# Altium PCB TEBF0808ASCII.PcbDoc (part 2 of 10) (continued)
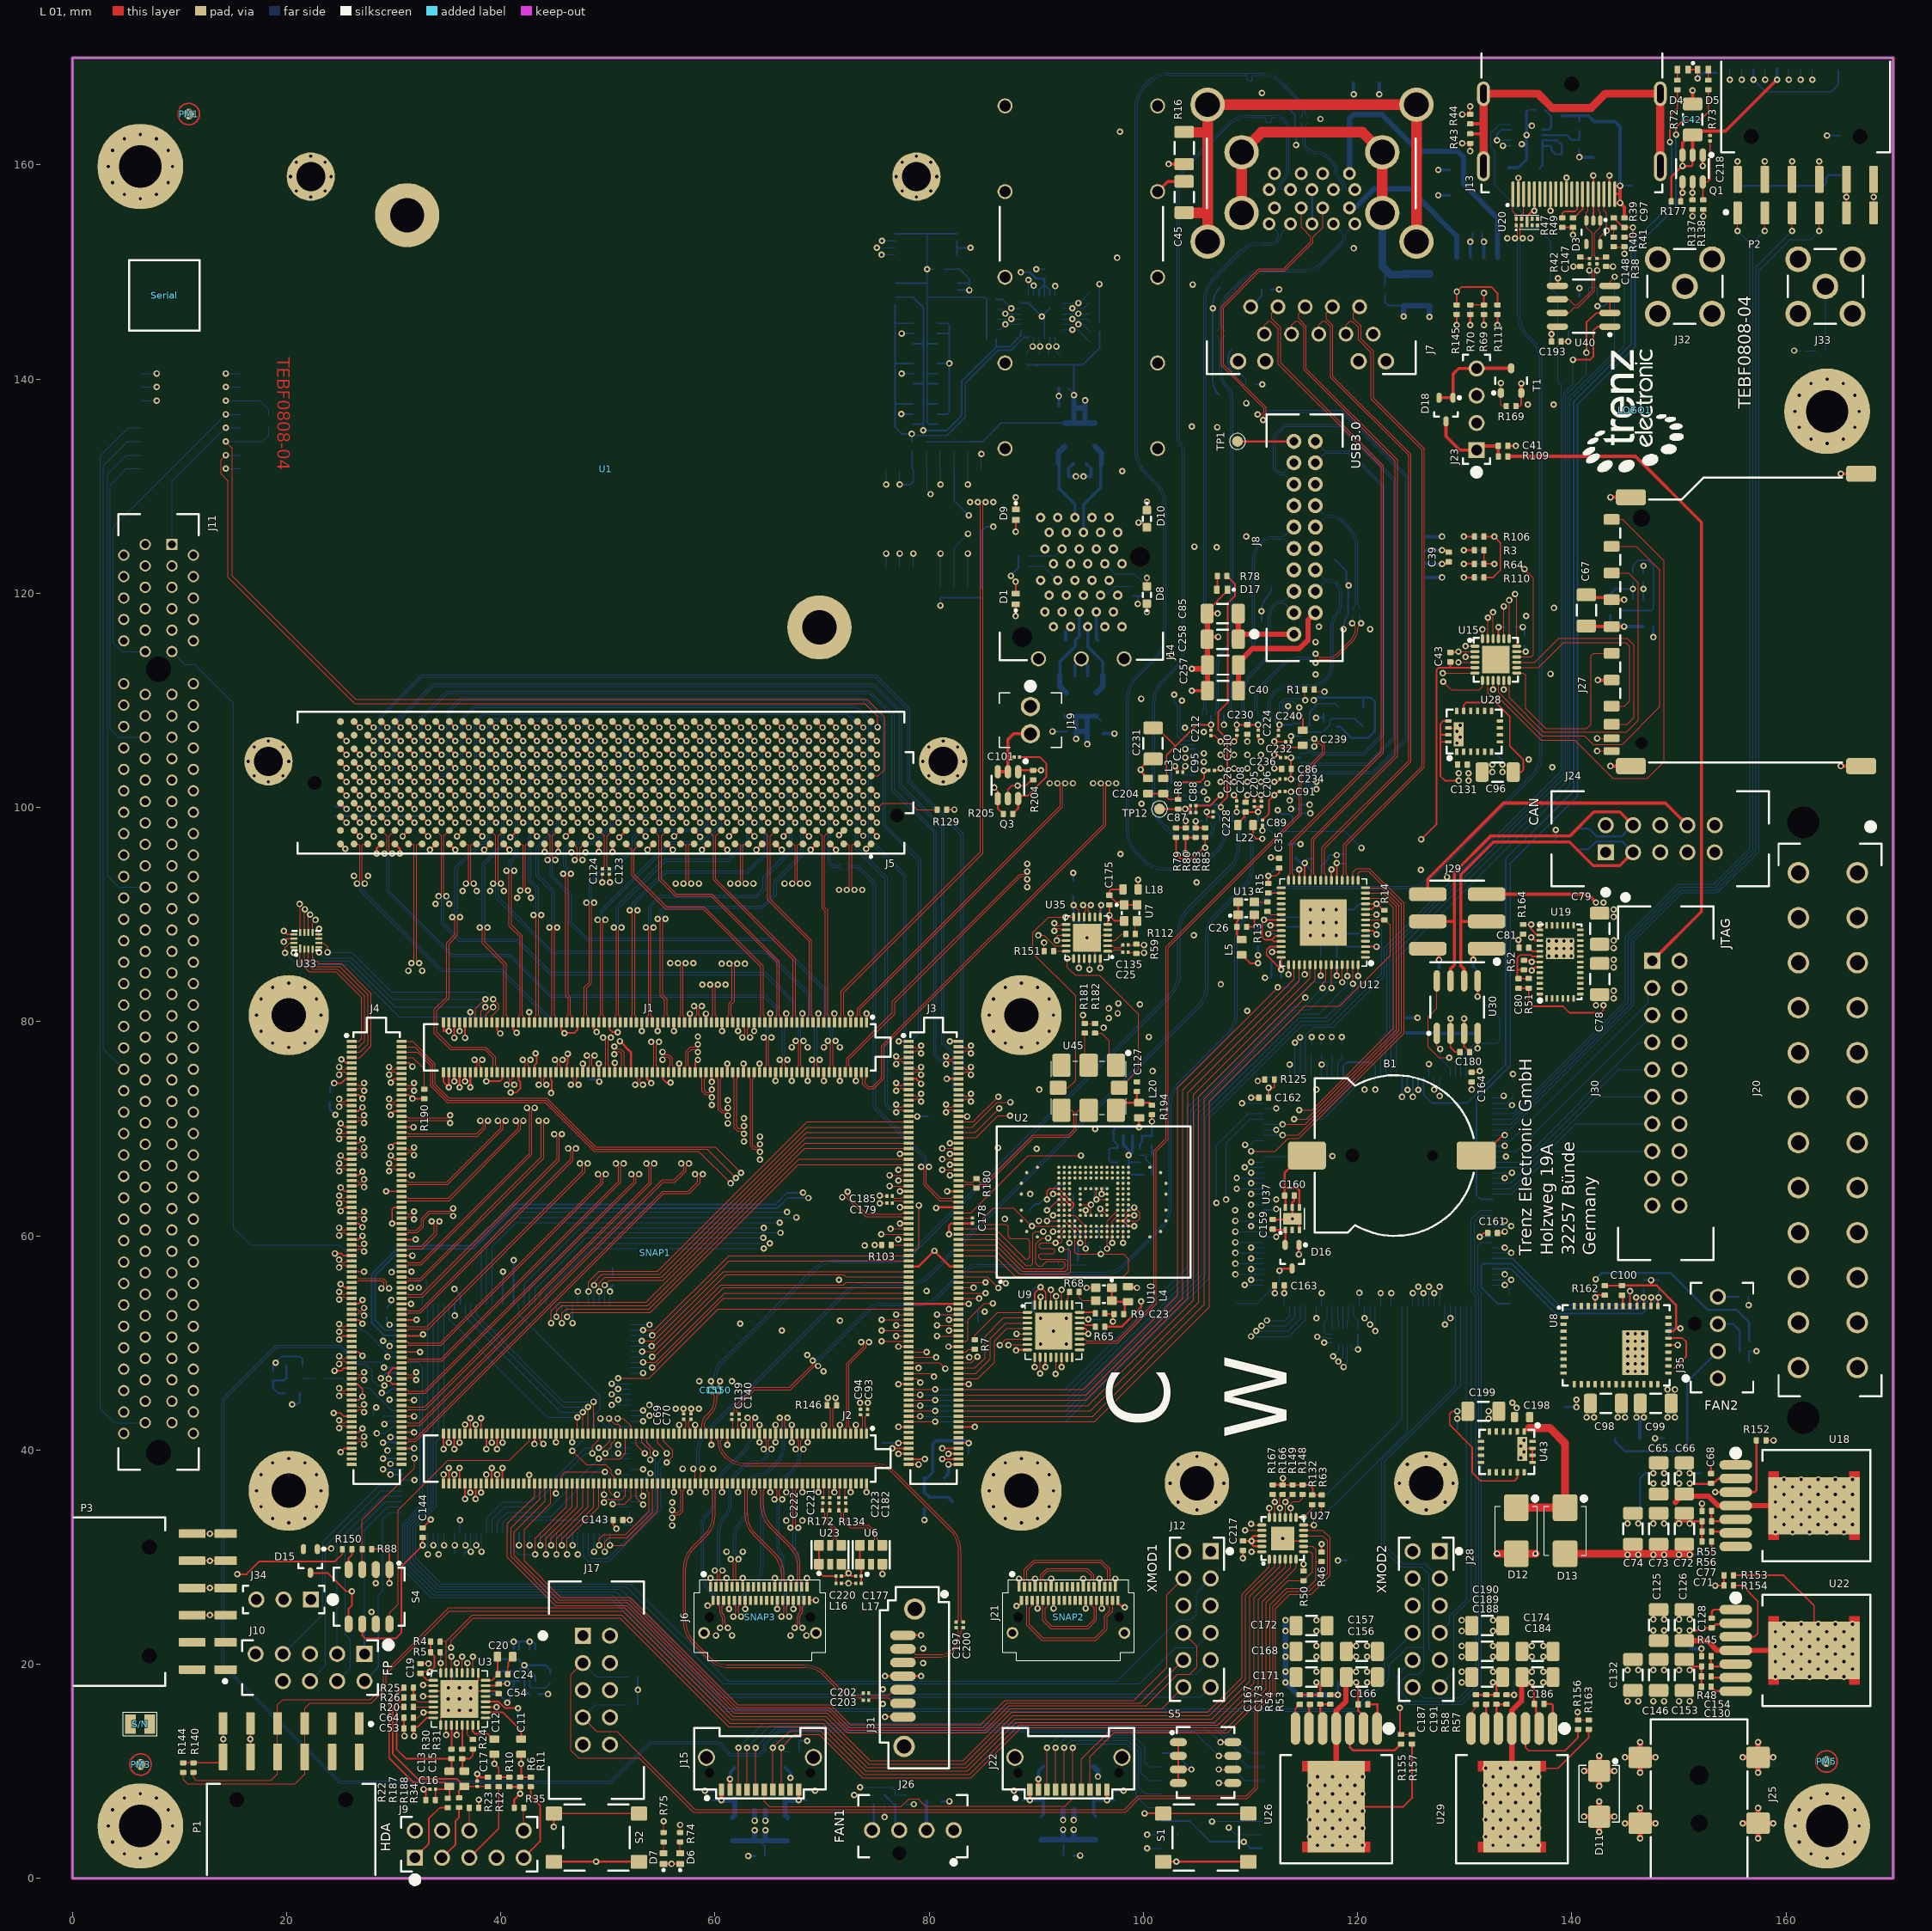
[diagram p0: L 01 view]
## Components (designator, comment, footprint, x,y, rotation, side; value= is the part's Value field where it differs from the comment) (continued)
U2 "MTFC16GJVEC-2M WT" BGA169C50P14X28_1400X1800X80_MICRON 95.35,63.15 r90 top locked
U3 "ADAU1761BCPZ-R7" QFN50P500X500X100-33N 36.14,16.75 r0 top locked
U4 "CYUSB3324" QFN40P10X10X1-89T530 109.71,103.65 r90 bottom locked
U5 "24LC128-I/ST" SOP65P640X120-8N-MC 79.7,152.575 r180 bottom
U6 "DSC1123CI2-100.0000T" PSON105P320X250X90-6N 74.575,30.225 r90 top locked
U7 "SiT8008BI-73-18S-25.000000E" 2016 98.8,90.15 r0 top
U8 "EN5335QI" EN5335QI 144.126,49.791 r0 top locked
U9 "USB3320C-EZK" QFN50P500X500X100-33N-345 91.6,51.1 r0 top
U10 "SiT8008AI-73-XXS-52.000000E" 2016 96.3,54.55 r270 top
U11 "ESD3V3U4ULC E6327" TSLP-9-1 114.25,162.8 r270 bottom
U12 "88E1512-A0-NNP2I000" QFN50P800X800X100-57N 116.8,89.25 r180 top locked
U13 "SiT8008BI-73-18S-25.000000E" 2016 109.6,90.57 r90 top locked
U14 "AP2186SG-13" SOIC127P600X175-8N 128.9,123.375 r180 bottom
U15 "TXS02612RTWR" QFN50P400X400X80-25N-255 132.9,113.8 r0 top locked
U16 "TCA9548ARGER" QFN50P400X400X100-25N-220 90.51,145.85 r180 bottom locked
U17 "LCMXO2-1200HC-4TG144I" QFP50P2200X2200X160-144N 121.9,64.15 r90 bottom locked
U18 "171050601" 7TO-PMOD 161,34.8 r0 top locked
U19 "EN6347QI" EN63xx 138.9,85.575 r90 top locked
U20 "ESD3V3U4ULC E6327" TSLP-9-1 135.8,154.65 r90 top
U21 "AP2186SG-13" SOIC127P600X175-8N 131.15,148.925 r90 bottom
U22 "171050601" 7TO-PMOD 161,21.29 r0 top
U23 "DSC1123CI2-150.0000" PSON105P320X250X90-6N 70.75,30.225 r90 top
U24 "24LC128-I/ST" SOP65P640X120-8N-MC 79.775,147.975 r180 bottom
U25 "SiT8008BI-71-33S-24.576000" 2016 20.725,47.3 r270 bottom
U26 "171050601" 7TO-PMOD 118,8.3 r270 top locked
U27 "TCA9548ARGER" QFN50P400X400X100-25N-220 113,31.75 r90 top
U28 "EN5311QI" EN5311QI 130.875,107.1 r90 top locked
U29 "171050601" 7TO-PMOD 134.4,8.3 r270 top locked
U30 "TCAN337" SOIC127P600X175-8N 129.3,81.35 r90 top locked
U31 "TPS74801DRC" SON50P300X300X100-11N-TI 135.765,162.785 r0 bottom
U32 "SN74AVC4T774RSVR" QFN40P260X180X55-16N 118.85,50.625 r270 bottom
U33 "SN74AVC4T774RSVR" QFN40P260X180X55-16N 21.85,87.55 r90 top
U34 "PCF8574DWR" SOIC127P1030X265-16N 106.425,7.26 r0 bottom locked
U35 "SI5338A-B-GMR" QFN50P400X400X90-25N 94.725,87.825 r180 top locked
U36 "24AA025E48T-I/OT" SOT95P280X145-6N 79.625,136.725 r0 bottom
U37 "TPS780180300" SON65P200X200X80-7N 113.9,61.595 r90 top
U38 "PCF8574DWR" SOIC127P1030X265-16N 11.1,136.075 r180 bottom
U39 "LCMXO2-1200HC-4TG144I" QFP50P2200X2200X160-144N 41.45,42.95 r270 bottom locked
U40 "SN65MLVD201D" SOIC127P600X175-8N 141.1,146.8 r180 top locked
U41 "24AA025E48T-I/OT" SOT95P280X145-6N 79.65,140.5 r0 bottom
U42 "24AA025E48T-I/OT" SOT95P280X145-6N 79.65,144.25 r0 bottom
U43 "EN5311QI" EN5311QI 133.924,39.826 r270 top locked
U44 "PCF8574DWR" SOIC127P1030X265-16N 80.425,126.925 r270 bottom
U45 "570FBB000290DG" OSCCC500X700X180-8N 94.875,73.825 r270 top
U46 "TPS74801DRC" SON50P300X300X100-11N-TI 42.2,19.9 r270 bottom
U47 "TPS79901DRV" SON65P200X210X80-7N-TI 98.625,67.525 r180 bottom
U48 "BTS4141N" SOT230P700X180-4N 146.35,37.85 r270 bottom
U49 "ESD3V3U4ULC E6327" TSLP-9-1 111.025,117.35 r90 bottom
U50 "ESD3V3U4ULC E6327" TSLP-9-1 106.475,145.675 r270 bottom
U51 "ESD3V3U4ULC E6327" TSLP-9-1 119.15,119.675 r90 bottom
Y1 "CX3225SB26000" OSCCC320X250X60N 119.355,108.455 r270 bottom

## Footprints (in the part's own frame and the unit in brackets; to place one, negate y for a bottom-side part, rotate by r counter-clockwise, add the part's x,y. Pads: shape width x height; smd on the part's side, far side on the other; paste and mask are expansions set on the pad)
1-2007492-5 [mm]
  round 1.4 hole 1.05: H0(-7.125,8) H0(-7.125,0) H0(-7.125,-16) H0(-7.125,-8) H0(-7.125,-24) H0(-4,27.625) H0(0,27.625) H0(4,27.625) H0(7.125,8) H0(7.125,0) H0(7.125,-16) H0(7.125,-8) H0(7.125,-24)
  round 0 hole 1.85 unplated: H1(-5.5,18.1) H2(5.5,25.6)
  round 0.88 hole 0.46: L1(3.4,17.37) L2(2.6,18.75) L3(1.8,17.37) L4(1,18.75) L5(0.2,17.37) L6(-0.6,18.75) L7(-1.4,17.37) L8(-2.2,18.75) L9(-3,17.37) L10(-3.8,18.75) L11(-3.4,15.82) L12(-2.6,14.43) L13(-1.8,15.82) L14(-1,14.43) L15(-0.2,15.82) L16(0.6,14.43) L17(1.4,15.82) L18(2.2,14.43) L19(3,15.82) L20(3.8,14.43) T1(-3.4,21.69) T2(-2.6,20.3) T3(-1.8,21.69) T4(-1,20.3) T5(-0.2,21.69) T6(0.6,20.3) T7(1.4,21.69) T8(2.2,20.3) T9(3,21.69) T10(3.8,20.3) T11(3.4,23.24) T12(2.6,24.62) T13(1.8,23.24) T14(1,24.62) T15(0.2,23.24) T16(-0.6,24.62) T17(-1.4,23.24) T18(-2.2,24.62) T19(-3,23.24) T20(-3.8,24.62)
  silkscreen extent -7.63,-14.57 7.63,27.75
7TO-PMOD [mm]
  oval 3.06x0.89 smd: 1(-5.7,3.81) 2(-5.7,2.54) 3(-5.7,1.27) 4(-5.7,0) 5(-5.7,-1.27) 6(-5.7,-2.54) 7(-5.7,-3.81)
  rect 8.54x5.35 smd: 8(1.605,0)
  L 01 region: 5.875,-3.2 5.875,3.2 4.875,3.2 4.875,-3.2
  L 01 region: -2.665,3.2 -2.665,-3.2 -1.665,-3.2 -1.665,3.2
  silkscreen extent -6,-5.21 6.89,5.21
104C-TAA0-R [mm]
  rrect33% 1x1.5 smd: 1(6.875,13.3) 2(4.375,13.3) 3(1.875,13.3) 4(-0.625,13.3) 5(-3.125,13.3) 6(-5.625,13.3) 7(-8.05,13.3) 8(-9.75,13.3) 9(9.375,13.3)
  rrect33% 0.7x1.5 smd: 10(-11.05,13.3) 11(-12.25,13.3)
  rrect33% 1.5x2.8 smd: 12(-13.65,-10) 12(-13.65,11.5) 12(11.45,11.5) 12(13.65,-10)
  round 0 hole 1.1 unplated: H1(-11.5,10.5)
  round 0 hole 1.6 unplated: H2(9.5,10.5)
  silkscreen extent -13.3,-8.2 13.3,12.5
2016 [mm]
  rrect20% 0.8x0.9 smd: 1(-0.6,0.75) 2(-0.6,-0.75) 3(0.6,-0.75) 4(0.6,0.75)
  silkscreen extent -1.4,-0.1 0.82,0.85
8470-2-2-X [mm] "Display Port, Buchse liegend"
  oval 0.28x2.4 smd: 1(5.5,7.142) 2(5,7.142) 3(4.5,7.142) 4(4,7.142) 5(3.5,7.142) 6(3,7.142) 7(2.5,7.142) 8(2,7.142) 9(1.5,7.142) 10(1,7.142) 11(0.5,7.142) 12(0,7.142) 13(-0.5,7.142) 14(-1,7.142) 15(-1.5,7.142) 16(-2,7.142) 17(-2.5,7.142) 18(-3,7.142) 19(-3.5,7.142) 20(-4,7.142)
  oval 1.2x2.8 hole 0.6 slot 2.2 at 90 deg: F1(8.25,4.542) F3(-8.25,4.542)
  oval 1.2x2.3 hole 0.6 slot 1.7 at 90 deg: F2(8.25,-2.238) F4(-8.25,-2.238)
  round 0 hole 1.4 unplated: H1(0,-3.138)
  silkscreen extent -8.45,-6 8.45,8.25
47053-1000 [mm]
  round 1.5 hole 1: 1(3.81,1.08) 2(1.27,1.08) 3(-1.27,1.08) 4(-3.81,1.08)
  round 0 hole 1.3 unplated: H1(-1.27,-1.08)
  silkscreen extent -5.1,-2.12 5.1,4.38
67800-5005 [mm]
  oval 0.9x2.4 smd: 1(-3.81,0) 2(-2.54,0) 3(-1.27,0) 4(0,0) 5(1.27,0) 6(2.54,0) 7(3.81,0)
  round 2 hole 1.35: F1(-6.27,1.1) F2(6.56,0.1)
  silkscreen extent -8.31,-2.16 8.59,4.29
104031-0811 [mm]
  rrect20% 0.75x1.1 smd: 1(3.155,-5.525) 2(2.055,-5.525) 3(0.955,-5.525) 4(-0.145,-5.525) 5(-1.245,-5.525) 6(-2.345,-5.525) 7(-3.445,-5.525) 8(-4.545,-5.525)
  rrect20% 1.2x1 smd: 9(5.74,0.7) 10(5.74,4.4)
  rrect20% 1.55x1.35 smd: G1(5.565,-5.4)
  rrect20% 1.17x1.8 smd: G2(-5.755,-5.175)
  rrect20% 1.9x1.35 smd: G3(-3.63,5.375) G4(2.14,5.375)
  silkscreen extent -5.98,-4.4 5.97,5.7
7497110616 [mm]
  round 1.39 hole 0.9: 1(5.715,3.72) 2(4.445,6.26) 3(3.175,3.72) 4(1.905,6.26) 5(0.635,3.72) 6(-0.635,6.26) 7(-1.905,3.72) 8(-3.175,6.26) 9(-4.445,3.72) 10(-5.715,6.26)
  round 1.53 hole 1: 11(6.9,8.8) 12(4.36,8.8) 13(-4.36,8.8) 14(-6.9,8.8)
  round 3.2 hole 2.3: F1(-9.75,-15.16) F2(9.75,-15.16) F3(-6.57,-10.73) F4(6.57,-10.73) F5(-6.57,-5.05) F6(6.57,-5.05) F7(-9.75,-2.38) F8(9.75,-2.38)
  round 1.2 hole 0.7: U1(-3.5,-8.73) U2(-1,-8.73) U3(1,-8.73) U4(3.5,-8.73) U5(4,-7.23) U6(2,-7.23) U7(0,-7.23) U8(-2,-7.23) U9(-4,-7.23) U10(-3.5,-5.53) U11(-1,-5.53) U12(1,-5.53) U13(3.5,-5.53) U14(4,-4.03) U15(2,-4.03) U16(0,-4.03) U17(-2,-4.03) U18(-4,-4.03)
  silkscreen extent -9.7,-12 9.8,10
610112249221 [mm]
  rrect20% 0.8x2.1 smd: 1(-6.35,-9.89) 2(-3.81,-9.89) 3(-1.27,-9.89) 4(1.27,-9.89) 5(3.81,-9.89) 6(6.35,-9.89)
  rrect20% 0.8x2.5 smd: 7(-6.35,-6.76) 8(-3.81,-6.76) 9(-1.27,-6.76) 10(1.27,-6.76) 11(3.81,-6.76) 12(6.35,-6.76)
  round 0 hole 1.4 unplated: H1(-5.08,-2.75) H2(5.08,-2.75)
  silkscreen extent -7.87,-9.98 7.87,4.25
694106106102 [mm]
  rrect20% 2.2x2 smd: 1(-5.5,-2.35) 1(-5.5,3.8) 2(5.5,-2.35) 3(5.5,3.8)
  round 0 hole 1.6 unplated: H1(0,-2.35)
  round 0 hole 1.8 unplated: H2(0,2.15)
  silkscreen extent -4.5,-7.35 4.5,7.35
ASP-134486-01B [mm]
  round 0 hole 1.27 unplated: 1(27.19,-3.05) 2(-27.19,0)
  round 0.64 smd paste+0.125: A1(24.766,-5.715) A2(23.496,-5.715) A3(22.226,-5.715) A4(20.956,-5.715) A5(19.686,-5.715) A6(18.416,-5.715) A7(17.146,-5.715) A8(15.876,-5.715) A9(14.606,-5.715) A10(13.336,-5.715) A11(12.066,-5.715) A12(10.796,-5.715) A13(9.526,-5.715) A14(8.256,-5.715) A15(6.986,-5.715) A16(5.716,-5.715) A17(4.446,-5.715) A18(3.176,-5.715) A19(1.906,-5.715) A20(0.636,-5.715) A21(-0.634,-5.715) A22(-1.904,-5.715) A23(-3.174,-5.715) A24(-4.444,-5.715) A25(-5.714,-5.715) A26(-6.984,-5.715) A27(-8.254,-5.715) A28(-9.524,-5.715) A29(-10.794,-5.715) A30(-12.064,-5.715) A31(-13.334,-5.715) A32(-14.604,-5.715) A33(-15.874,-5.715) A34(-17.144,-5.715) A35(-18.414,-5.715) A36(-19.684,-5.715) A37(-20.954,-5.715) A38(-22.224,-5.715) A39(-23.494,-5.715) A40(-24.764,-5.715) B1(24.766,-4.445) B2(23.496,-4.445) B3(22.226,-4.445) B4(20.956,-4.445) B5(19.686,-4.445) B6(18.416,-4.445) B7(17.146,-4.445) B8(15.876,-4.445) B9(14.606,-4.445) B10(13.336,-4.445) B11(12.066,-4.445) B12(10.796,-4.445) B13(9.526,-4.445) B14(8.256,-4.445) B15(6.986,-4.445) B16(5.716,-4.445) B17(4.446,-4.445) B18(3.176,-4.445) B19(1.906,-4.445) B20(0.636,-4.445) B21(-0.634,-4.445) B22(-1.904,-4.445) B23(-3.174,-4.445) B24(-4.444,-4.445) B25(-5.714,-4.445) B26(-6.984,-4.445) B27(-8.254,-4.445) B28(-9.524,-4.445) B29(-10.794,-4.445) B30(-12.064,-4.445) B31(-13.334,-4.445) B32(-14.604,-4.445) B33(-15.874,-4.445) B34(-17.144,-4.445) B35(-18.414,-4.445) B36(-19.684,-4.445) B37(-20.954,-4.445) B38(-22.224,-4.445) B39(-23.494,-4.445) B40(-24.764,-4.445) C1(24.766,-3.175) C2(23.496,-3.175) C3(22.226,-3.175) C4(20.956,-3.175) C5(19.686,-3.175) C6(18.416,-3.175) C7(17.146,-3.175) C8(15.876,-3.175) C9(14.606,-3.175) C10(13.336,-3.175) C11(12.066,-3.175) C12(10.796,-3.175) C13(9.526,-3.175) C14(8.256,-3.175) C15(6.986,-3.175) C16(5.716,-3.175) C17(4.446,-3.175) C18(3.176,-3.175) C19(1.906,-3.175) C20(0.636,-3.175) C21(-0.634,-3.175) C22(-1.904,-3.175) C23(-3.174,-3.175) C24(-4.444,-3.175) C25(-5.714,-3.175) C26(-6.984,-3.175) C27(-8.254,-3.175) C28(-9.524,-3.175) C29(-10.794,-3.175) C30(-12.064,-3.175) C31(-13.334,-3.175) C32(-14.604,-3.175) C33(-15.874,-3.175) C34(-17.144,-3.175) C35(-18.414,-3.175) C36(-19.684,-3.175) C37(-20.954,-3.175) C38(-22.224,-3.175) C39(-23.494,-3.175) C40(-24.764,-3.175) D1(24.766,-1.905) D2(23.496,-1.905) D3(22.226,-1.905) D4(20.956,-1.905) D5(19.686,-1.905) D6(18.416,-1.905) D7(17.146,-1.905) D8(15.876,-1.905) D9(14.606,-1.905) D10(13.336,-1.905) D11(12.066,-1.905) D12(10.796,-1.905) D13(9.526,-1.905) D14(8.256,-1.905) D15(6.986,-1.905) D16(5.716,-1.905) D17(4.446,-1.905) D18(3.176,-1.905) D19(1.906,-1.905) D20(0.636,-1.905) D21(-0.634,-1.905) D22(-1.904,-1.905) D23(-3.174,-1.905) D24(-4.444,-1.905) D25(-5.714,-1.905) D26(-6.984,-1.905) D27(-8.254,-1.905) D28(-9.524,-1.905) D29(-10.794,-1.905) D30(-12.064,-1.905) D31(-13.334,-1.905) D32(-14.604,-1.905) D33(-15.874,-1.905) D34(-17.144,-1.905) D35(-18.414,-1.905) D36(-19.684,-1.905) D37(-20.954,-1.905) D38(-22.224,-1.905) D39(-23.494,-1.905) D40(-24.764,-1.905) E1(24.766,-0.635) E2(23.496,-0.635) E3(22.226,-0.635) E4(20.956,-0.635) E5(19.686,-0.635) E6(18.416,-0.635) E7(17.146,-0.635) E8(15.876,-0.635) E9(14.606,-0.635) E10(13.336,-0.635) E11(12.066,-0.635) E12(10.796,-0.635) E13(9.526,-0.635) E14(8.256,-0.635) E15(6.986,-0.635) E16(5.716,-0.635) E17(4.446,-0.635) E18(3.176,-0.635) E19(1.906,-0.635) E20(0.636,-0.635) E21(-0.634,-0.635) E22(-1.904,-0.635) E23(-3.174,-0.635) E24(-4.444,-0.635) E25(-5.714,-0.635) E26(-6.984,-0.635) E27(-8.254,-0.635) E28(-9.524,-0.635) E29(-10.794,-0.635) E30(-12.064,-0.635) E31(-13.334,-0.635) E32(-14.604,-0.635) E33(-15.874,-0.635) E34(-17.144,-0.635) E35(-18.414,-0.635) E36(-19.684,-0.635) E37(-20.954,-0.635) E38(-22.224,-0.635) E39(-23.494,-0.635) E40(-24.764,-0.635) F1(24.766,0.635) F2(23.496,0.635) F3(22.226,0.635) F4(20.956,0.635) F5(19.686,0.635) F6(18.416,0.635) F7(17.146,0.635) F8(15.876,0.635) F9(14.606,0.635) F10(13.336,0.635) F11(12.066,0.635) F12(10.796,0.635) F13(9.526,0.635) F14(8.256,0.635) F15(6.986,0.635) F16(5.716,0.635) F17(4.446,0.635) F18(3.176,0.635) F19(1.906,0.635) F20(0.636,0.635) F21(-0.634,0.635) F22(-1.904,0.635) F23(-3.174,0.635) F24(-4.444,0.635) F25(-5.714,0.635) F26(-6.984,0.635) F27(-8.254,0.635) F28(-9.524,0.635) F29(-10.794,0.635) F30(-12.064,0.635) F31(-13.334,0.635) F32(-14.604,0.635) F33(-15.874,0.635) F34(-17.144,0.635) F35(-18.414,0.635) F36(-19.684,0.635) F37(-20.954,0.635) F38(-22.224,0.635) F39(-23.494,0.635) F40(-24.764,0.635) G1(24.766,1.905) G2(23.496,1.905) G3(22.226,1.905) G4(20.956,1.905) G5(19.686,1.905) G6(18.416,1.905) G7(17.146,1.905) G8(15.876,1.905) G9(14.606,1.905) G10(13.336,1.905) G11(12.066,1.905) G12(10.796,1.905) G13(9.526,1.905) G14(8.256,1.905) G15(6.986,1.905) G16(5.716,1.905) G17(4.446,1.905) G18(3.176,1.905) G19(1.906,1.905) G20(0.636,1.905) G21(-0.634,1.905) G22(-1.904,1.905) G23(-3.174,1.905) G24(-4.444,1.905) G25(-5.714,1.905) G26(-6.984,1.905) G27(-8.254,1.905) G28(-9.524,1.905) G29(-10.794,1.905) G30(-12.064,1.905) G31(-13.334,1.905) G32(-14.604,1.905) G33(-15.874,1.905) G34(-17.144,1.905) G35(-18.414,1.905) G36(-19.684,1.905) G37(-20.954,1.905) G38(-22.224,1.905) G39(-23.494,1.905) G40(-24.764,1.905) H1(24.766,3.175) H2(23.496,3.175) H3(22.226,3.175) H4(20.956,3.175) H5(19.686,3.175) H6(18.416,3.175) H7(17.146,3.175) H8(15.876,3.175) H9(14.606,3.175) H10(13.336,3.175) H11(12.066,3.175) H12(10.796,3.175) H13(9.526,3.175) H14(8.256,3.175) H15(6.986,3.175) H16(5.716,3.175) H17(4.446,3.175) H18(3.176,3.175) H19(1.906,3.175) H20(0.636,3.175) H21(-0.634,3.175) H22(-1.904,3.175) H23(-3.174,3.175) H24(-4.444,3.175) H25(-5.714,3.175) H26(-6.984,3.175) H27(-8.254,3.175) H28(-9.524,3.175) H29(-10.794,3.175) H30(-12.064,3.175) H31(-13.334,3.175) H32(-14.604,3.175) H33(-15.874,3.175) H34(-17.144,3.175) H35(-18.414,3.175) H36(-19.684,3.175) H37(-20.954,3.175) H38(-22.224,3.175) H39(-23.494,3.175) H40(-24.764,3.175) J1(24.766,4.445) J2(23.496,4.445) J3(22.226,4.445) J4(20.956,4.445) J5(19.686,4.445) J6(18.416,4.445) J7(17.146,4.445) J8(15.876,4.445) J9(14.606,4.445) J10(13.336,4.445) J11(12.066,4.445) J12(10.796,4.445) J13(9.526,4.445) J14(8.256,4.445) J15(6.986,4.445) J16(5.716,4.445) J17(4.446,4.445) J18(3.176,4.445) J19(1.906,4.445) J20(0.636,4.445) J21(-0.634,4.445) J22(-1.904,4.445) J23(-3.174,4.445) J24(-4.444,4.445) J25(-5.714,4.445) J26(-6.984,4.445) J27(-8.254,4.445) J28(-9.524,4.445) J29(-10.794,4.445) J30(-12.064,4.445) J31(-13.334,4.445) J32(-14.604,4.445) J33(-15.874,4.445) J34(-17.144,4.445) J35(-18.414,4.445) J36(-19.684,4.445) J37(-20.954,4.445) J38(-22.224,4.445) J39(-23.494,4.445) J40(-24.764,4.445) K1(24.766,5.715) K2(23.496,5.715) K3(22.226,5.715) K4(20.956,5.715) K5(19.686,5.715) K6(18.416,5.715) K7(17.146,5.715) K8(15.876,5.715) K9(14.606,5.715) K10(13.336,5.715) K11(12.066,5.715) K12(10.796,5.715) K13(9.526,5.715) K14(8.256,5.715) K15(6.986,5.715) K16(5.716,5.715) K17(4.446,5.715) K18(3.176,5.715) K19(1.906,5.715) K20(0.636,5.715) K21(-0.634,5.715) K22(-1.904,5.715) K23(-3.174,5.715) K24(-4.444,5.715) K25(-5.714,5.715) K26(-6.984,5.715) K27(-8.254,5.715) K28(-9.524,5.715) K29(-10.794,5.715) K30(-12.064,5.715) K31(-13.334,5.715) K32(-14.604,5.715) K33(-15.874,5.715) K34(-17.144,5.715) K35(-18.414,5.715) K36(-19.684,5.715) K37(-20.954,5.715) K38(-22.224,5.715) K39(-23.494,5.715) K40(-24.764,5.715)
  silkscreen extent -28.76,-7 28.71,6.62
BGA169C50P14X28_1400X1800X80_MICRON [mm] "BGA, 169-Leads, Body 14,00x18,00mmx0.80mm, Pitch 0,50mm"
  round 0.3 smd: A4(-1.75,6.75) A6(-0.75,6.75) A9(0.75,6.75) A11(1.75,6.75) AA1(-3.25,-3.25) AA2(-2.75,-3.25) AA3(-2.25,-3.25) AA4(-1.75,-3.25) AA5(-1.25,-3.25) AA6(-0.75,-3.25) AA7(-0.25,-3.25) AA8(0.25,-3.25) AA9(0.75,-3.25) AA10(1.25,-3.25) AA11(1.75,-3.25) AA12(2.25,-3.25) AA13(2.75,-3.25) AA14(3.25,-3.25) AE1(-3.25,-5.25) AE14(3.25,-5.25) AG2(-2.75,-6.25) AG13(2.75,-6.25) AH4(-1.75,-6.75) AH6(-0.75,-6.75) AH9(0.75,-6.75) AH11(1.75,-6.75) B2(-2.75,6.25) B13(2.75,6.25) D1(-3.25,5.25) D14(3.25,5.25) H1(-3.25,3.25) H2(-2.75,3.25) H3(-2.25,3.25) H4(-1.75,3.25) H5(-1.25,3.25) H6(-0.75,3.25) H7(-0.25,3.25) H8(0.25,3.25) H9(0.75,3.25) H10(1.25,3.25) H11(1.75,3.25) H12(2.25,3.25) H13(2.75,3.25) H14(3.25,3.25) J1(-3.25,2.75) J2(-2.75,2.75) J3(-2.25,2.75) J4(-1.75,2.75) J5(-1.25,2.75) J6(-0.75,2.75) J7(-0.25,2.75) J8(0.25,2.75) J9(0.75,2.75) J10(1.25,2.75) J11(1.75,2.75) J12(2.25,2.75) J13(2.75,2.75) J14(3.25,2.75) K1(-3.25,2.25) K2(-2.75,2.25) K3(-2.25,2.25) K4(-1.75,2.25) K5(-1.25,2.25) K6(-0.75,2.25) K7(-0.25,2.25) K8(0.25,2.25) K9(0.75,2.25) K10(1.25,2.25) K11(1.75,2.25) K12(2.25,2.25) K13(2.75,2.25) K14(3.25,2.25) L1(-3.25,1.75) L2(-2.75,1.75) L3(-2.25,1.75) L4(-1.75,1.75) L12(2.25,1.75) L13(2.75,1.75) L14(3.25,1.75) M1(-3.25,1.25) M2(-2.75,1.25) M3(-2.25,1.25) M5(-1.25,1.25) M6(-0.75,1.25) M7(-0.25,1.25) M8(0.25,1.25) M9(0.75,1.25) M10(1.25,1.25) M12(2.25,1.25) M13(2.75,1.25) M14(3.25,1.25) N1(-3.25,0.75) N2(-2.75,0.75) N3(-2.25,0.75) N5(-1.25,0.75) N10(1.25,0.75) N12(2.25,0.75) N13(2.75,0.75) N14(3.25,0.75) P1(-3.25,0.25) P2(-2.75,0.25) P3(-2.25,0.25) P5(-1.25,0.25) P10(1.25,0.25) P12(2.25,0.25) P13(2.75,0.25) P14(3.25,0.25) R1(-3.25,-0.25) R2(-2.75,-0.25) R3(-2.25,-0.25) R5(-1.25,-0.25) R10(1.25,-0.25) R12(2.25,-0.25) R13(2.75,-0.25) R14(3.25,-0.25) T1(-3.25,-0.75) T2(-2.75,-0.75) T3(-2.25,-0.75) T5(-1.25,-0.75) T10(1.25,-0.75) T12(2.25,-0.75) T13(2.75,-0.75) T14(3.25,-0.75) U1(-3.25,-1.25) U2(-2.75,-1.25) U3(-2.25,-1.25) U5(-1.25,-1.25) U6(-0.75,-1.25) U7(-0.25,-1.25) U8(0.25,-1.25) U9(0.75,-1.25) U10(1.25,-1.25) U12(2.25,-1.25) U13(2.75,-1.25) U14(3.25,-1.25) V1(-3.25,-1.75) V2(-2.75,-1.75) V3(-2.25,-1.75) V12(2.25,-1.75) V13(2.75,-1.75) V14(3.25,-1.75) W1(-3.25,-2.25) W2(-2.75,-2.25) W3(-2.25,-2.25) W4(-1.75,-2.25) W5(-1.25,-2.25) W6(-0.75,-2.25) W7(-0.25,-2.25) W8(0.25,-2.25) W9(0.75,-2.25) W10(1.25,-2.25) W11(1.75,-2.25) W12(2.25,-2.25) W13(2.75,-2.25) W14(3.25,-2.25) Y1(-3.25,-2.75) Y2(-2.75,-2.75) Y3(-2.25,-2.75) Y4(-1.75,-2.75) Y5(-1.25,-2.75) Y6(-0.75,-2.75) Y7(-0.25,-2.75) Y8(0.25,-2.75) Y9(0.75,-2.75) Y10(1.25,-2.75) Y11(1.75,-2.75) Y12(2.25,-2.75) Y13(2.75,-2.75) Y14(3.25,-2.75)
  silkscreen extent -7.55,-9.05 7.05,9.05
CAPC0603X33N [mm]
  rrect33% 0.3x0.33 smd: 1(-0.252,0) 2(0.252,0)
CAPC1005X55N [mm] "Vishay VJ0402 1 x 0.5mm (+/- 0.05), 0.25mm +0.05/-0.1mm Kontakte"
  rrect33% 0.5x0.6 smd: 1(-0.45,0) 2(0.45,0)
CAPC1005X60N [mm] "Vishay VJ0402 1 x 0.5mm (+/- 0.05), 0.25mm +0.05/-0.1mm Kontakte"
  rrect33% 0.5x0.6 smd: 1(-0.45,0) 2(0.45,0)
CAPC1608X90N [mm] "Vishay VJ0603 1.6 x 0.8 (+0.15/-0.1) 0.4 +/- 0,15mm Kontakte"
  rrect33% 0.7x0.93 smd: 1(-0.71,0) 2(0.71,0)
CAPC3216X180N [mm]
  rrect33% 1.21x1.82 smd: 1(-1.45,0) 2(1.45,0)
  silkscreen extent -0.5,-0.9 0.5,0.9
chipLED_0603_Green [mm]
  rrect30% 0.8x0.8 smd: A(0.8,0) K(-0.8,0)
  silkscreen extent -1.49,-0.4 0.2,0.4
CHS-04TA [mm]
  oval 1.6x0.76 smd: 1(-2.54,1.905) 2(-2.54,0.635) 3(-2.54,-0.635) 4(-2.54,-1.905) 5(2.54,-1.905) 6(2.54,-0.635) 7(2.54,0.635) 8(2.54,1.905)
  silkscreen extent -3.25,-3.3 2.7,3.3
CR1220 [mm]
  rrect20% 3.54x2.6 smd: +(8.23,0)
  rrect20% 3.66x2.6 smd: -(-7.57,0)
  round 0 hole 1.3 unplated: H1(4,0)
  round 0 hole 1 unplated: H2(-3.5,0)
  silkscreen extent -7.32,-7.5 7.5,7.5
DIOM4336X250N [mm]
  rrect20% 2.5x2.3 smd: 1(-2.15,0) 2(2.15,0)
  silkscreen extent -3.2,-1.97 2.29,1.97
DIOM5236X261N [mm]
  rrect20% 2.06x2.04 smd: 1(-2.135,0) 2(2.135,0)
  silkscreen extent -3.2,-1.87 2.65,1.87
DTSM61N [mm] "SMD-Taster"
  rrect20% 1.55x1.3 smd: 1(-3.975,2.25) 1(3.975,2.25) 2(-3.975,-2.25) 2(3.975,-2.25)
  silkscreen extent -3.1,-3.1 3.1,3.1
EN63xx [mm]
  rrect33% 0.6x0.25 smd: 1(-3.4,1.25) 2(-3.4,0.75) 3(-3.4,0.25) 4(-3.4,-0.25) 5(-3.4,-0.75) 6(-3.4,-1.25) 20(3.4,-1.25) 21(3.4,-0.75) 22(3.4,-0.25) 23(3.4,0.25) 24(3.4,0.75) 25(3.4,1.25)
  rrect33% 0.25x0.6 smd: 7(-3,-1.9) 8(-2.5,-1.9) 9(-2,-1.9) 10(-1.5,-1.9) 11(-1,-1.9) 12(-0.5,-1.9) 13(0,-1.9) 14(0.5,-1.9) 15(1,-1.9) 16(1.5,-1.9) 17(2,-1.9) 18(2.5,-1.9) 19(3,-1.9) 26(3,1.9) 27(2.5,1.9) 28(2,1.9) 29(1.5,1.9) 30(1,1.9) 31(0.5,1.9) 32(0,1.9) 33(-0.5,1.9) 34(-1,1.9) 35(-1.5,1.9) 36(-2,1.9) 37(-2.5,1.9) 38(-3,1.9)
  rect 1.94x2.6 smd: 39(1.255,0)
  silkscreen extent -3.75,-2 3.5,2.02
EN5311QI [mm]
  rrect33% 0.6x0.3 smd: 1(-1.9,1.625) 2(-1.9,0.975) 3(-1.9,0.325) 4(-1.9,-0.325) 5(-1.9,-0.975) 6(-1.9,-1.625) 11(1.9,-1.625) 12(1.9,-0.975) 13(1.9,-0.325) 14(1.9,0.325) 15(1.9,0.975) 16(1.9,1.625)
  rrect33% 0.3x0.6 smd: 7(-0.975,-2.4) 8(-0.325,-2.4) 9(0.325,-2.4) 10(0.975,-2.4) 17(0.975,2.4) 18(0.325,2.4) 19(-0.325,2.4) 20(-0.975,2.4)
  rect 2.25x0.9 smd: 21(-0.275,1.45)
  silkscreen extent -2.65,-2.55 2.05,2.55
EN5335QI [mm]
  rrect33% 0.75x0.3 smd: 1(-4.825,2.6)
  rrect33% 0.6x0.3 smd: 2(-4.9,1.95) 3(-4.9,1.3) 4(-4.9,0.65) 5(-4.9,0) 6(-4.9,-0.65) 7(-4.9,-1.3) 8(-4.9,-1.95) 9(-4.9,-2.6) 23(4.9,-2.6) 24(4.9,-1.95) 25(4.9,-1.3) 26(4.9,-0.65) 27(4.9,0) 28(4.9,0.65) 29(4.9,1.3) 30(4.9,1.95) 31(4.9,2.6)
  rrect33% 0.3x0.6 smd: 10(-3.9,-3.65) 11(-3.25,-3.65) 12(-2.6,-3.65) 13(-1.95,-3.65) 14(-1.3,-3.65) 15(-0.65,-3.65) 16(0,-3.65) 17(0.65,-3.65) 18(1.3,-3.65) 19(1.95,-3.65) 20(2.6,-3.65) 21(3.25,-3.65) 22(3.9,-3.65) 32(3.9,3.65) 33(3.25,3.65) 34(2.6,3.65) 35(1.95,3.65) 36(1.3,3.65) 37(0.65,3.65) 38(0,3.65) 39(-0.65,3.65) 40(-1.3,3.65) 41(-1.95,3.65) 42(-2.6,3.65) 43(-3.25,3.65) 44(-3.9,3.65)
  rect 2.425x4.15 smd: 45(1.8,-0.7)
  silkscreen extent -5.42,-3.75 5,3.75
F455B-05MD [mm]
  round 6 hole 3.2: 1(19.25,19.25) 2(-19.25,-19.25)
"FIDU-DOT - small" [mm]
  round 1 smd paste-1: 0(0,0)
  L 01 circle w0.15: c0,0 r1
FireFly_Snap [mm]
FMC-MM-Single-Base [mm]
  round 4.5 hole 2.7: 3(29.01,56.6) 4(-27.54,56.6) 5(31.51,2) 6(-31.49,2)
INDC0603X33N [mm]
  rrect33% 0.3x0.33 smd: 1(-0.252,0) 2(0.252,0)
INDC1608X95N [mm]
  rrect33% 0.7x0.95 smd: 1(-0.71,0) 2(0.71,0)
INDC2520X100N [mm]
  rrect33% 1.24x2.22 smd: 1(-1.09,0) 2(1.09,0)
INTEL_FP_HDA_9PIN [mm]
  rect 1.5x1.5 hole 1: 1(-5.08,-1.27)
  round 1.5 hole 1: 2(-5.08,1.27) 3(-2.54,-1.27) 4(-2.54,1.27) 5(0,-1.27) 6(0,1.27) 7(2.54,-1.27) 9(5.08,-1.27) 10(5.08,1.27)
  silkscreen extent -6.35,-3.62 6.35,2.54
INTEL_FP_RST_LED_9PIN [mm]
  rect 1.5x1.5 hole 1: 1(-5.08,-1.27)
  round 1.5 hole 1: 2(-5.08,1.27) 3(-2.54,-1.27) 4(-2.54,1.27) 5(0,-1.27) 6(0,1.27) 7(2.54,-1.27) 8(2.54,1.27) 9(5.08,-1.27)
  silkscreen extent -7.61,-2.54 6.35,2.54
JUMPER2_54-3 [mm]
  rect 1.5x1.5 hole 1: 1(2.54,0)
  round 1.5 hole 1: 2(0,0) 3(-2.54,0)
  silkscreen extent -3.81,-1.27 4.89,1.27
LEDC1006X25N_GREEN [mm] "LED 0402, 2-Leads, Body 1,0x0,6mm, IPC Medium Density"
  rrect20% 0.54x0.74 smd: A(-0.5,0) K(0.5,0)
  silkscreen extent 0.85,0.51 1.05,0.71
LEDC1006X25N_RED [mm] "LED 0402, 2-Leads, Body 1,0x0,6mm, IPC Medium Density"
  rrect20% 0.54x0.74 smd: A(-0.5,0) K(0.5,0)
  silkscreen extent 0.98,-0.1 1.17,0.1
"LOGO PRINT" [mm]
  silkscreen extent -5.81,-4.55 5.64,4.83
Molex22-27-2021 [mm]
  round 1.8 hole 1.2: 1(1.27,0) 2(-1.27,0)
  silkscreen extent -2.55,-2.9 3.48,2.9
OSCCC320X250X60N [mm] "Oscillator, Corner Concave; 3.20 mm L X 2.50 mm W X 0.60 mm H body"
  rrect33% 0.96x1.21 smd: 1(-0.93,1.155) 2(-0.93,-1.155) 3(0.93,-1.155) 4(0.93,1.155)
  silkscreen extent -1.9,-1.6 1.25,1.6
OSCCC500X700X180-8N [mm] "Si570/Si571_P6L7.0H1.8W5mm_R"
  rrect20% 2.15x1.7 smd: 1(-2.1,2.552) 2(-2.1,0.012) 3(-2.1,-2.528) 4(2.1,-2.528) 5(2.1,0.012) 6(2.1,2.552)
  rrect20% 1.3x1.55 smd: 7(0,2.867) 8(0,-2.843)
  silkscreen extent -3.4,-3.49 2.5,3.86
PCIe-x16-E.C.Connector [mm]
  rect 1.05x1.05 hole 0.7: A1(-11.65,1.25)
  round 1.05 hole 0.7: A2(-10.65,3.25) A3(-9.65,1.25) A4(-8.65,3.25) A5(-7.65,1.25) A6(-6.65,3.25) A7(-5.65,1.25) A8(-4.65,3.25) A9(-3.65,1.25) A10(-2.65,3.25) A11(-1.65,1.25) A12(1.35,3.25) A13(2.35,1.25) A14(3.35,3.25) A15(4.35,1.25) A16(5.35,3.25) A17(6.35,1.25) A18(7.35,3.25) A19(8.35,1.25) A20(9.35,3.25) A21(10.35,1.25) A22(11.35,3.25) A23(12.35,1.25) A24(13.35,3.25) A25(14.35,1.25) A26(15.35,3.25) A27(16.35,1.25) A28(17.35,3.25) A29(18.35,1.25) A30(19.35,3.25) A31(20.35,1.25) A32(21.35,3.25) A33(22.35,1.25) A34(23.35,3.25) A35(24.35,1.25) A36(25.35,3.25) A37(26.35,1.25) A38(27.35,3.25) A39(28.35,1.25) A40(29.35,3.25) A41(30.35,1.25) A42(31.35,3.25) A43(32.35,1.25) A44(33.35,3.25) A45(34.35,1.25) A46(35.35,3.25) A47(36.35,1.25) A48(37.35,3.25) A49(38.35,1.25) A50(39.35,3.25) A51(40.35,1.25) A52(41.35,3.25) A53(42.35,1.25) A54(43.35,3.25) A55(44.35,1.25) A56(45.35,3.25) A57(46.35,1.25) A58(47.35,3.25) A59(48.35,1.25) A60(49.35,3.25) A61(50.35,1.25) A62(51.35,3.25) A63(52.35,1.25) A64(53.35,3.25) A65(54.35,1.25) A66(55.35,3.25) A67(56.35,1.25) A68(57.35,3.25) A69(58.35,1.25) A70(59.35,3.25) A71(60.35,1.25) A72(61.35,3.25) A73(62.35,1.25) A74(63.35,3.25) A75(64.35,1.25) A76(65.35,3.25) A77(66.35,1.25) A78(67.35,3.25) A79(68.35,1.25) A80(69.35,3.25) A81(70.35,1.25) A82(71.35,3.25) B1(-11.65,-1.25) B2(-10.65,-3.25) B3(-9.65,-1.25) B4(-8.65,-3.25) B5(-7.65,-1.25) B6(-6.65,-3.25) B7(-5.65,-1.25) B8(-4.65,-3.25) B9(-3.65,-1.25) B10(-2.65,-3.25) B11(-1.65,-1.25) B12(1.35,-3.25) B13(2.35,-1.25) B14(3.35,-3.25) B15(4.35,-1.25) B16(5.35,-3.25) B17(6.35,-1.25) B18(7.35,-3.25) B19(8.35,-1.25) B20(9.35,-3.25) B21(10.35,-1.25) B22(11.35,-3.25) B23(12.35,-1.25) B24(13.35,-3.25) B25(14.35,-1.25) B26(15.35,-3.25) B27(16.35,-1.25) B28(17.35,-3.25) B29(18.35,-1.25) B30(19.35,-3.25) B31(20.35,-1.25) B32(21.35,-3.25) B33(22.35,-1.25) B34(23.35,-3.25) B35(24.35,-1.25) B36(25.35,-3.25) B37(26.35,-1.25) B38(27.35,-3.25) B39(28.35,-1.25) B40(29.35,-3.25) B41(30.35,-1.25) B42(31.35,-3.25) B43(32.35,-1.25) B44(33.35,-3.25) B45(34.35,-1.25) B46(35.35,-3.25) B47(36.35,-1.25) B48(37.35,-3.25) B49(38.35,-1.25) B50(39.35,-3.25) B51(40.35,-1.25) B52(41.35,-3.25) B53(42.35,-1.25) B54(43.35,-3.25) B55(44.35,-1.25) B56(45.35,-3.25) B57(46.35,-1.25) B58(47.35,-3.25) B59(48.35,-1.25) B60(49.35,-3.25) B61(50.35,-1.25) B62(51.35,-3.25) B63(52.35,-1.25) B64(53.35,-3.25) B65(54.35,-1.25) B66(55.35,-3.25) B67(56.35,-1.25) B68(57.35,-3.25) B69(58.35,-1.25) B70(59.35,-3.25) B71(60.35,-1.25) B72(61.35,-3.25) B73(62.35,-1.25) B74(63.35,-3.25) B75(64.35,-1.25) B76(65.35,-3.25) B77(66.35,-1.25) B78(67.35,-3.25) B79(68.35,-1.25) B80(69.35,-3.25) B81(70.35,-1.25) B82(71.35,-3.25)
  round 0 hole 2.355 unplated: H1(0,0) H2(73.15,0)
  silkscreen extent -14.5,-3.75 74.73,3.75
PSON105P320X250X90-6N [mm] "Pullback Small Outline No-Lead (PSON), 1.05 mm pitch; 6 pin, 3.20 mm L X 2.50 mm W X 0.90 mm H body"
  rrect20% 1x0.9 smd: 1(-0.875,1.05) 3(-0.875,-1.05) 4(0.875,-1.05) 6(0.875,1.05)
  rrect20% 1x0.55 smd: 2(-0.875,0) 5(0.875,0)
  silkscreen extent -1.95,-1.72 1.28,1.72